# Altium PCB S6.PcbDoc (part 4 of 14)
Units mil, origin at the board's own origin, x right, y up, seen from the top; angles counter-clockwise.
Board outline 5250 x 2929.55 mil, 6 copper layers (Top Layer, Mid-Layer 2, Mid-Layer 4, Mid-Layer 3, Mid-Layer 1, Bottom Layer); 345 components, 365 nets, 2233 pads, 960 vias.
Unrouted connection lines stored in the file: 1.
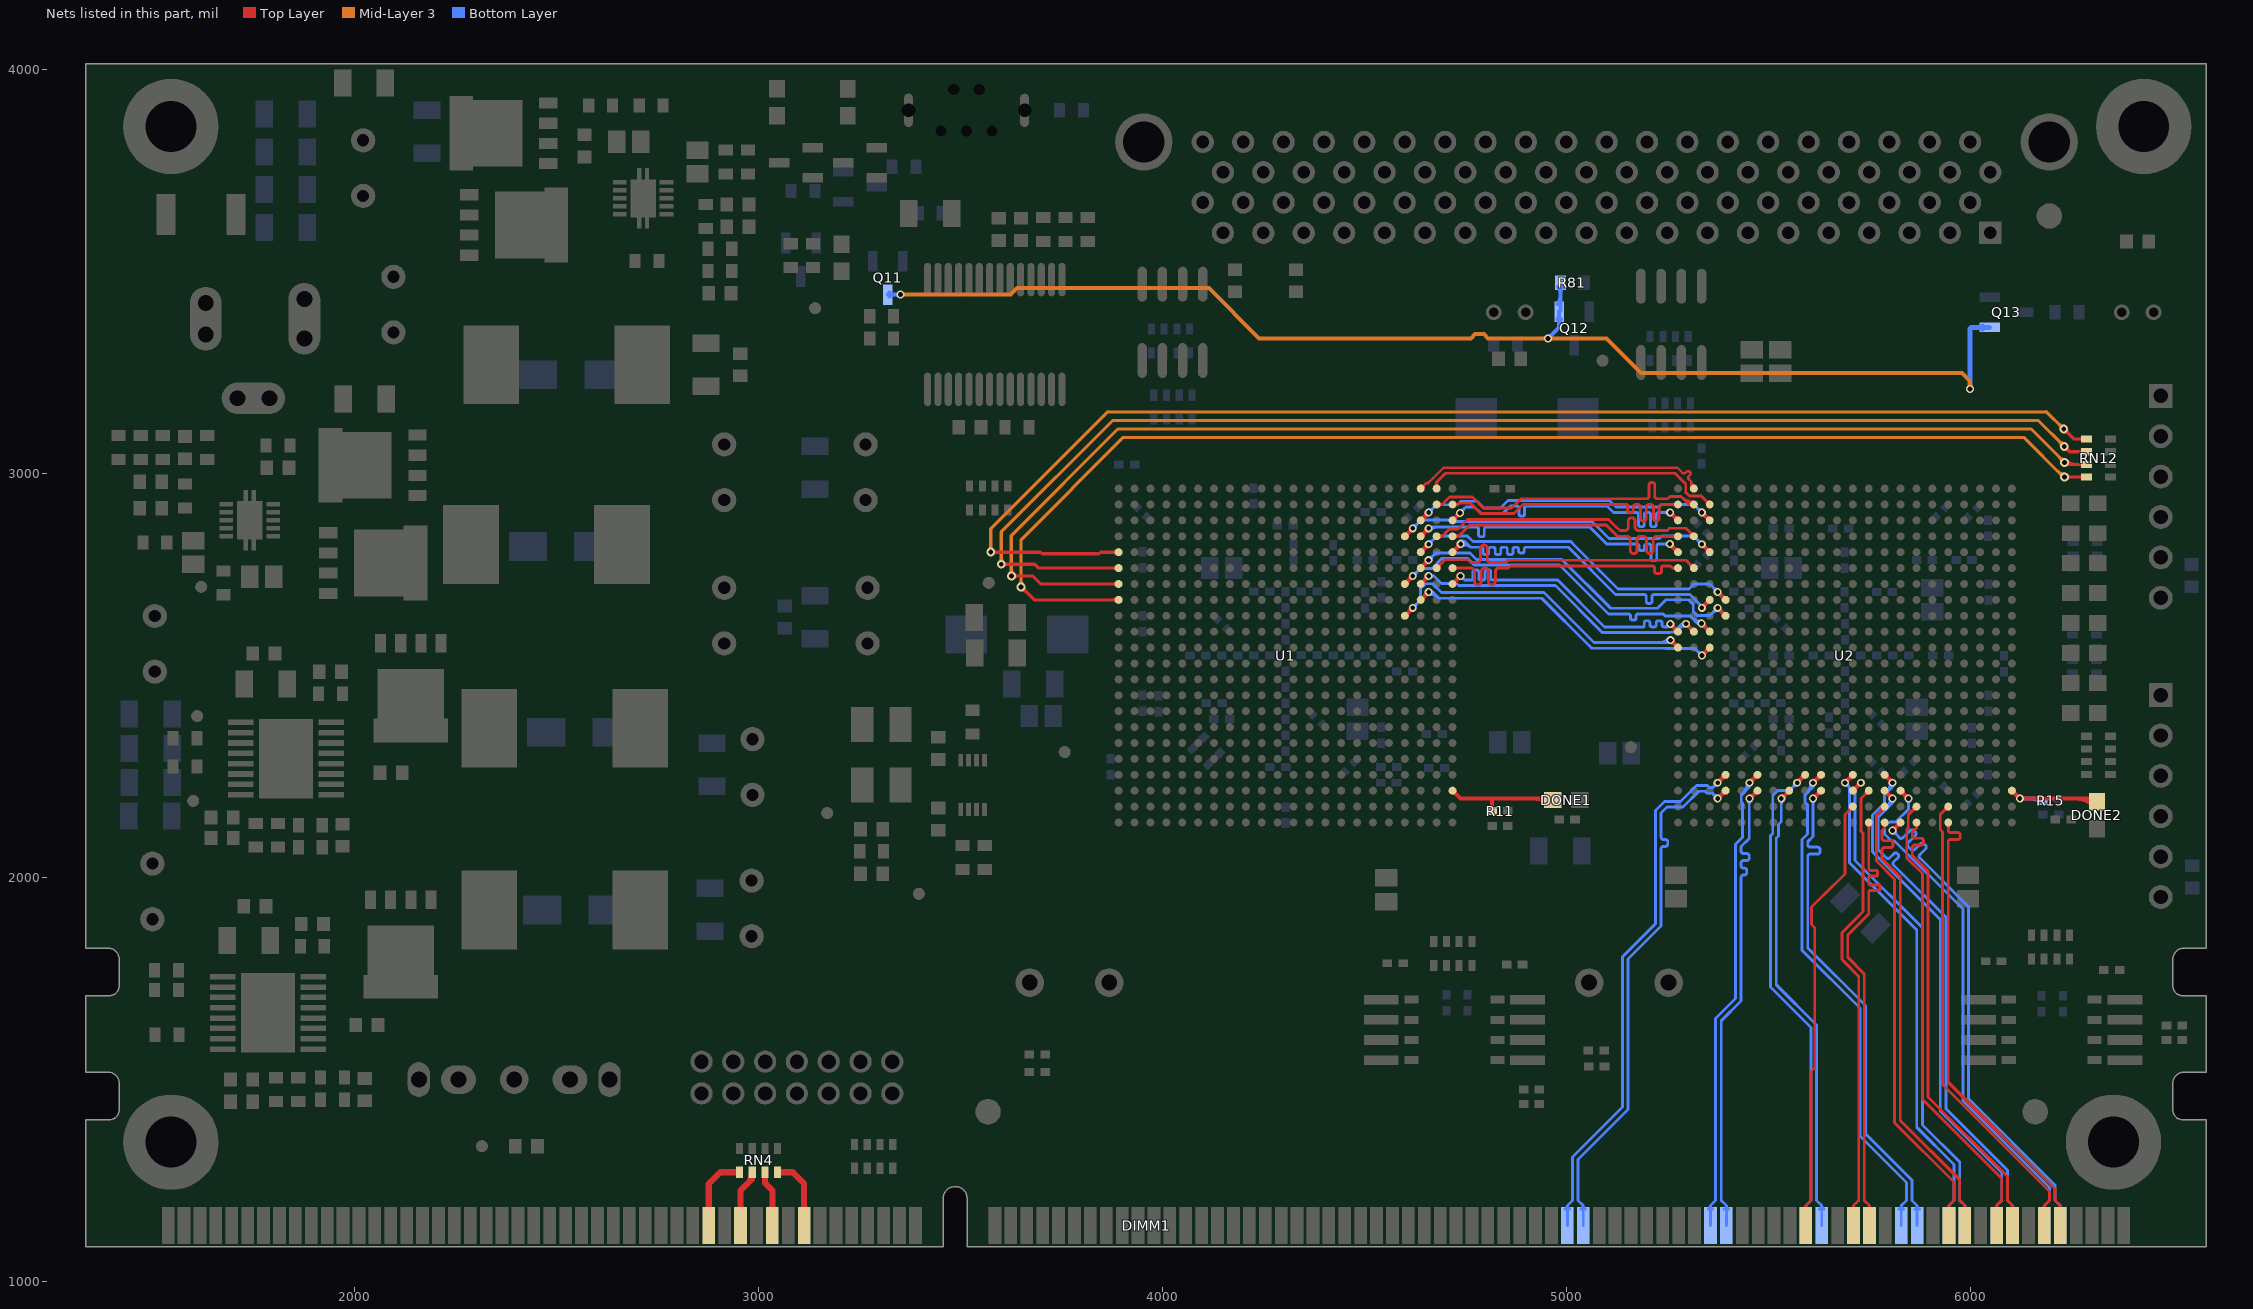
[diagram p8: the nets of this part, all layers, seen from the top]

## Via types
v1: diameter 19.68, hole 11.81, Top Layer to Bottom Layer, tented both sides, 469 vias
v2: diameter 32, hole 18, Top Layer to Bottom Layer, tented both sides, 257 vias
v3: diameter 22, hole 12, Top Layer to Bottom Layer, tented both sides, 185 vias
v4: diameter 25.59, hole 12.99, Top Layer to Bottom Layer, tented bottom, 16 vias
v5: diameter 50, hole 28, Top Layer to Bottom Layer, tented both sides, 15 vias
v6: diameter 23.62, hole 11.81, Top Layer to Bottom Layer, tented bottom, 10 vias
v7: diameter 20, hole 12, Top Layer to Bottom Layer, tented both sides, 5 vias
v8: diameter 21.65, hole 11.81, Top Layer to Bottom Layer, tented both sides, 2 vias
v9: diameter 39.37, hole 39.37, Top Layer to Bottom Layer, 1 vias

## Nets (pads, with @x,y where several pads share a name; then routed paths per layer and width w, separated by ;. In a path a pad name is that pad's centre, name@x,y a point inside that pad or via, vN(x,y) a via of type N, cw(c..) or ccw(c..) an arc to the next point about the centre after c; other vN are vias at no path point) (continued)
DIMM_FPGA2_11_P: DIMM1.100 U2.AA12 | length 1138.8
  Top Layer w7: DIMM1.100@5587.75,1179.07 ccw(c5583.25,1188) 5593.25,1188 ; DIMM1.100@5593.25,1138.6 5593.25,1188 ; DIMM1.100@5598.75,1179.07 cw(c5603.25,1188) 5593.25,1188 ; U2.AA12@5703.34,2175.98 cw(c5688.03,2175.98) 5698.86,2165.16 cw(c5709.69,2154.33) U2.AA12@5709.69,2169.64 ; U2.AA12@5709.69,2175.98 5690,2156.3 5690,2009.35 5660.15,1979.5 5659.7,1979.5 5611,1930.8 5606.9,1926.7 5606.9,1884.1 5611,1880 5615.1,1875.9 5615.1,1528.9 5605.94,1519.73 5605.94,1200.68 5593.25,1188
DIMM_FPGA2_12_N: DIMM1.104 U2.AB13 | length 1176.1
  Top Layer w7: U2.AB13@5744.57,2132.13 cw(c5733.74,2121.3) 5749.06,2121.3 cw(c5764.37,2121.3) U2.AB13@5753.54,2132.13 ; DIMM1.104@5745.23,1179.07 ccw(c5740.73,1188) 5750.73,1188 ; U2.AB13@5749.06,2136.61 5749.06,2025 5749.06,2021.5 ccw(c5752.56,2021.5) 5752.56,2018 5767.56,2018 cw(c5767.56,2014.5) 5771.06,2014.5 5771.06,2007.5 cw(c5767.56,2007.5) 5767.56,2004 5752.56,2004 ccw(c5752.56,2000.5) 5749.06,2000.5 5749.06,2000 5749.06,1989 5749.06,1985.5 ccw(c5752.56,1985.5) 5752.56,1982 5773.61,1982 cw(c5773.61,1978.5) 5777.11,1978.5 5777.11,1971.5 cw(c5773.61,1971.5) 5773.61,1968 5752.56,1968 ccw(c5752.56,1964.5) 5749.06,1964.5 5749.06,1955 5749.06,1910.06 5696.9,1857.9 5696.9,1802.9 5738.05,1761.75 5738.05,1200.68 5750.73,1188 ; DIMM1.104@5750.73,1138.6 5750.73,1188 ; DIMM1.104@5756.23,1179.07 cw(c5760.73,1188) 5750.73,1188
DIMM_FPGA2_12_P: DIMM1.103 U2.Y13 | length 1176.8
  Top Layer w7: DIMM1.103@5705.86,1179.07 ccw(c5701.36,1188) 5711.36,1188 ; DIMM1.103@5711.36,1138.6 5711.36,1188 ; DIMM1.103@5716.86,1179.07 cw(c5721.36,1188) 5711.36,1188 ; U2.Y13@5742.71,2215.35 cw(c5727.4,2215.35) 5738.23,2204.53 cw(c5749.06,2193.7) U2.Y13@5749.06,2209.01 ; U2.Y13@5749.06,2215.35 5730,2196.3 5730,2115.06 5735.06,2110 5735.06,1915.85 5717,1897.8 5687,1867.8 5682.9,1863.7 5682.9,1797.1 5687,1793 5724.05,1755.95 5724.05,1200.68 5711.36,1188
DIMM_FPGA2_13_N: DIMM1.206 U2.Y4 | length 1414.9
  Top Layer w10: v1(5375.04,2195.67) U2.Y4@5394.72,2215.35 ; v1@5375.04,2200.51 ccw(c5375.04,2212.2) 5383.31,2203.94 ccw(c5391.57,2195.67) v1@5379.88,2195.67 ; U2.Y4@5389.88,2215.35 cw(c5378.19,2215.35) 5386.46,2207.09 cw(c5394.72,2198.82) U2.Y4@5394.72,2210.51
  Bottom Layer w7: DIMM1.206@5036.57,1179.07 ccw(c5032.07,1188) 5042.07,1188 ; DIMM1.206@5042.07,1138.6 5042.07,1188 ; DIMM1.206@5047.57,1179.07 cw(c5052.07,1188) 5042.07,1188 ; v1@5368.7,2195.67 ccw(c5353.38,2195.67) 5364.21,2206.5 ccw(c5375.04,2217.32) v1@5375.04,2202.01 ; v1(5375.04,2195.67) 5361.71,2209 5348.28,2209 5343.27,2214.01 5328.07,2214.01 5288.7,2174.64 5249.33,2174.64 5238.59,2163.9 5238.59,2163.79 5235,2160.2 5235,2103 5235,2100.45 ccw(c5240.95,2100.45) 5240.95,2094.5 5245.23,2094.5 cw(c5245.23,2088.55) 5251.18,2088.55 5251.18,2083.45 cw(c5245.23,2083.45) 5245.23,2077.5 5240.95,2077.5 ccw(c5240.95,2071.55) 5235,2071.55 5235,2054 5235,1880.2 5153.1,1798.3 5153.1,1426.1 5149,1422 5029.39,1302.38 5029.39,1200.68 5042.07,1188
DIMM_FPGA2_13_P: DIMM1.205 U2.W4 | length 1415.4
  Top Layer w10: v1(5375.04,2235.04) U2.W4@5394.72,2254.72 ; v1@5375.04,2239.88 ccw(c5375.04,2251.57) 5383.31,2243.31 ccw(c5391.57,2235.04) v1@5379.88,2235.04 ; U2.W4@5389.88,2254.72 cw(c5378.19,2254.72) 5386.46,2246.46 cw(c5394.72,2238.19) U2.W4@5394.72,2249.88
  Bottom Layer w7: DIMM1.205@4997.2,1179.07 ccw(c4992.7,1188) 5002.7,1188 ; DIMM1.205@5002.7,1138.6 5002.7,1188 ; DIMM1.205@5008.2,1179.07 cw(c5012.7,1188) 5002.7,1188 ; v1@5368.7,2235.04 cw(c5353.38,2235.04) 5364.21,2224.21 cw(c5375.04,2213.38) v1@5375.04,2228.7 ; v1(5375.04,2235.04) 5363,2223 5354.08,2223 5349.07,2228.01 5322.27,2228.01 5282.9,2188.64 5243.53,2188.64 5224.59,2169.69 5224.59,2169.59 5221,2166 5221,1886 5139.1,1804.1 5139.1,1431.9 5015.39,1308.18 5015.39,1200.68 5002.7,1188
DIMM_FPGA2_14_N: DIMM1.215 U2.Y6 | length 1249.6
  Top Layer w10: v1(5453.78,2195.67) U2.Y6@5473.46,2215.35 ; v1@5453.78,2200.51 ccw(c5453.78,2212.2) 5462.05,2203.94 ccw(c5470.31,2195.67) v1@5458.62,2195.67 ; U2.Y6@5468.62,2215.35 cw(c5456.93,2215.35) 5465.2,2207.09 cw(c5473.46,2198.82) U2.Y6@5473.46,2210.51
  Bottom Layer w7: DIMM1.215@5390.9,1179.07 ccw(c5386.4,1188) 5396.4,1188 ; DIMM1.215@5396.4,1138.6 5396.4,1188 ; DIMM1.215@5401.9,1179.07 cw(c5406.4,1188) 5396.4,1188 ; v1@5449.29,2191.18 cw(c5440.35,2182.24) 5453,2182.24 ; 5453,2178.48 cw(c5470.97,2178.48) v1@5458.26,2191.18 ; v1(5453.78,2195.67) 5453,2194.89 5453,2097 5433,2077 5433,2068 5433,2065.45 ccw(c5438.95,2065.45) 5438.95,2059.5 5447.05,2059.5 cw(c5447.05,2053.55) 5453,2053.55 5453,2048.45 cw(c5447.05,2048.45) 5447.05,2042.5 5438.95,2042.5 ccw(c5438.95,2036.55) 5433,2036.55 5433,2032 5433,2029.45 ccw(c5438.95,2029.45) 5438.95,2023.5 5441.05,2023.5 cw(c5441.05,2017.55) 5447,2017.55 5447,2012.45 cw(c5441.05,2012.45) 5441.05,2006.5 5438.95,2006.5 ccw(c5438.95,2000.55) 5433,2000.55 5433,1992 5433,1695 5383.72,1645.71 5383.72,1200.68 5396.4,1188
DIMM_FPGA2_14_P: DIMM1.214 U2.W6 | length 1288.6
  Top Layer w10: v1(5453.78,2235.04) U2.W6@5473.46,2254.72 ; v1@5453.78,2239.88 ccw(c5453.78,2251.57) 5462.05,2243.31 ccw(c5470.31,2235.04) v1@5458.62,2235.04 ; U2.W6@5468.62,2254.72 cw(c5456.93,2254.72) 5465.2,2246.46 cw(c5473.46,2238.19) U2.W6@5473.46,2249.88
  Bottom Layer w7: DIMM1.214@5351.53,1179.07 ccw(c5347.03,1188) 5357.03,1188 ; DIMM1.214@5357.03,1138.6 5357.03,1188 ; DIMM1.214@5362.53,1179.07 cw(c5367.03,1188) 5357.03,1188 ; 5435.46,2206.11 ccw(c5406.53,2235.04) v1@5447.44,2235.04 ; 5447.41,2218.06 ccw(c5430.43,2235.04) v1@5454.44,2235.04 ; v1@5450.78,2229.45 cw(c5448.09,2224.44) 5453.78,2224.44 ; v1(5453.78,2235.04) 5453.78,2224.44 ; v1@5456.78,2229.45 ccw(c5459.47,2224.44) 5453.78,2224.44 ; 5357.03,1188 5369.72,1200.68 5369.72,1651.51 5419,1700.8 5419,1992 5419,2000.55 5419,2082.8 5436.1,2099.9 5436.1,2184.58 5433.44,2187.24 5433.44,2204.1 5453.78,2224.44
DIMM_FPGA2_15_N: DIMM1.221 U2.Y8 | length 1219.6
  Top Layer w10: v1(5532.52,2195.67) U2.Y8@5552.2,2215.35 ; v1@5532.52,2200.51 ccw(c5532.52,2212.2) 5540.79,2203.94 ccw(c5549.05,2195.67) v1@5537.36,2195.67 ; U2.Y8@5547.36,2215.35 cw(c5535.67,2215.35) 5543.94,2207.09 cw(c5552.2,2198.82) U2.Y8@5552.2,2210.51
  Bottom Layer w7: v1@5528.03,2191.18 cw(c5517.21,2180.36) 5532.52,2180.36 cw(c5547.83,2180.36) v1@5537,2191.18 ; v1(5532.52,2195.67) 5532.52,2139.18 5525.34,2132 5525.34,2103.38 5520,2098.04 5520,1734.8 5619.94,1634.86 5619.94,1200.68 5632.62,1188 ; DIMM1.221@5627.12,1179.07 ccw(c5622.62,1188) 5632.62,1188 ; DIMM1.221@5632.62,1138.6 5632.62,1188 ; DIMM1.221@5638.12,1179.07 cw(c5642.62,1188) 5632.62,1188
DIMM_FPGA2_15_P: DIMM1.220 U2.W9 | length 1297.9
  Top Layer w10: v1(5571.89,2235.04) U2.W9@5591.57,2254.72 ; v1@5571.89,2239.88 ccw(c5571.89,2251.57) 5580.16,2243.31 ccw(c5588.42,2235.04) v1@5576.73,2235.04 ; U2.W9@5586.73,2254.72 cw(c5575.04,2254.72) 5583.31,2246.46 cw(c5591.57,2238.19) U2.W9@5591.57,2249.88
  Bottom Layer w7: v1@5565.55,2235.04 cw(c5550.24,2235.04) 5561.06,2224.21 cw(c5571.89,2213.38) v1@5571.89,2228.7 ; v1(5571.89,2235.04) 5552.86,2216.01 5524.09,2216.01 5511.49,2203.41 5511.49,2148.7 5511.34,2148.55 5511.34,2109.18 5506,2103.84 5506,1729 5605.94,1629.07 5605.94,1200.68 5593.25,1188 ; DIMM1.220@5587.75,1179.07 ccw(c5583.25,1188) 5593.25,1188 ; DIMM1.220@5593.25,1138.6 5593.25,1188 ; DIMM1.220@5598.75,1179.07 cw(c5603.25,1188) 5593.25,1188
DIMM_FPGA2_16_N: DIMM1.227 U2.Y10 | length 1335.9
  Top Layer w10: v1(5611.26,2195.67) U2.Y10@5630.94,2215.35 ; v1@5611.26,2200.51 ccw(c5611.26,2212.2) 5619.53,2203.94 ccw(c5627.79,2195.67) v1@5616.1,2195.67 ; U2.Y10@5626.1,2215.35 cw(c5614.41,2215.35) 5622.68,2207.09 cw(c5630.94,2198.82) U2.Y10@5630.94,2210.51
  Bottom Layer w7: v1@5606.77,2191.18 cw(c5595.95,2180.36) 5611.26,2180.36 cw(c5626.57,2180.36) v1@5615.74,2191.18 ; v1(5611.26,2195.67) 5611.26,2102.26 5598,2089 5598,2084 5598,2081.45 ccw(c5603.95,2081.45) 5603.95,2075.5 5622.36,2075.5 cw(c5622.36,2069.55) 5628.31,2069.55 5628.31,2064.45 cw(c5622.36,2064.45) 5622.36,2058.5 5603.95,2058.5 ccw(c5603.95,2052.55) 5598,2052.55 5598,2044 5598,1826 5741,1683 5741,1365.8 5856.15,1250.64 5856.15,1200.68 5868.84,1188 ; DIMM1.227@5863.34,1179.07 ccw(c5858.84,1188) 5868.84,1188 ; DIMM1.227@5868.84,1138.6 5868.84,1188 ; DIMM1.227@5874.34,1179.07 cw(c5878.84,1188) 5868.84,1188
DIMM_FPGA2_16_P: DIMM1.226 U2.W10 | length 1375.1
  Top Layer w10: v1(5611.26,2235.04) U2.W10@5630.94,2254.72 ; v1@5611.26,2239.88 ccw(c5611.26,2251.57) 5619.53,2243.31 ccw(c5627.79,2235.04) v1@5616.1,2235.04 ; U2.W10@5626.1,2254.72 cw(c5614.41,2254.72) 5622.68,2246.46 cw(c5630.94,2238.19) U2.W10@5630.94,2249.88
  Bottom Layer w7: 5592.94,2206.11 ccw(c5564.01,2235.04) v1@5604.92,2235.04 ; 5604.89,2218.06 ccw(c5587.91,2235.04) v1@5611.92,2235.04 ; v1@5608.26,2229.45 cw(c5605.57,2224.44) 5611.26,2224.44 ; v1(5611.26,2235.04) 5611.26,2224.44 ; v1@5614.26,2229.45 ccw(c5616.95,2224.44) 5611.26,2224.44 ; DIMM1.226@5823.97,1179.07 ccw(c5819.47,1188) 5829.47,1188 ; DIMM1.226@5829.47,1138.6 5829.47,1188 ; DIMM1.226@5834.97,1179.07 cw(c5839.47,1188) 5829.47,1188 ; 5611.26,2224.44 5590.92,2204.1 5590.92,2187.24 5597.26,2180.9 5597.26,2108.06 5584,2094.8 5584,1820.2 5727,1677.2 5727,1360 5842.15,1244.85 5842.15,1200.68 5829.47,1188
DIMM_FPGA2_17_N: DIMM1.230 U2.Y12 | length 1325.7
  Top Layer w10: U2.Y12@5709.69,2215.35 v1(5729.37,2235.04) ; U2.Y12@5709.69,2220.2 ccw(c5709.69,2231.89) 5717.95,2223.62 ccw(c5726.22,2215.35) U2.Y12@5714.53,2215.35 ; v1@5724.53,2235.04 cw(c5712.84,2235.04) 5721.1,2226.77 cw(c5729.37,2218.51) v1@5729.37,2230.2
  Bottom Layer w7: v1@5723.03,2235.04 cw(c5707.72,2235.04) 5718.54,2224.21 cw(c5729.37,2213.38) v1@5729.37,2228.7 ; v1(5729.37,2235.04) 5715,2220.67 5715,2042.8 5882,1875.8 5882,1387.8 5974.27,1295.53 5974.27,1200.68 5986.95,1188 ; DIMM1.230@5981.45,1179.07 ccw(c5976.95,1188) 5986.95,1188 ; DIMM1.230@5986.95,1138.6 5986.95,1188 ; DIMM1.230@5992.45,1179.07 cw(c5996.95,1188) 5986.95,1188
DIMM_FPGA2_17_P: DIMM1.229 U2.W12 | length 1324.4
  Top Layer w10: v1(5690,2235.04) U2.W12@5709.69,2254.72 ; v1@5690,2239.88 ccw(c5690,2251.57) 5698.27,2243.31 ccw(c5706.53,2235.04) v1@5694.84,2235.04 ; U2.W12@5704.84,2254.72 cw(c5693.15,2254.72) 5701.42,2246.46 cw(c5709.69,2238.19) U2.W12@5709.69,2249.88
  Bottom Layer w7: v1@5690,2228.7 cw(c5690,2213.38) 5700.83,2224.21 cw(c5711.65,2235.04) v1@5696.34,2235.04 ; v1(5690,2235.04) 5701,2224.04 5701,2037 5868,1870 5868,1382 5960.27,1289.73 5960.27,1200.68 5947.58,1188 ; DIMM1.229@5942.08,1179.07 ccw(c5937.58,1188) 5947.58,1188 ; DIMM1.229@5947.58,1138.6 5947.58,1188 ; DIMM1.229@5953.08,1179.07 cw(c5957.58,1188) 5947.58,1188
DIMM_FPGA2_18_N: DIMM1.236 U2.AB15 | length 1380.9
  Top Layer w10: v1(5808,2116.82) U2.AB15@5827.8,2136.61 U2.AB15@5827.61,2136.61 ; v1@5808,2121.66 ccw(c5808,2133.35) 5816.27,2125.09 ccw(c5824.53,2116.82) v1@5812.84,2116.82 ; U2.AB15@5822.95,2136.61 cw(c5811.26,2136.61) 5819.53,2128.35 cw(c5827.8,2120.08) U2.AB15@5827.8,2131.77
  Bottom Layer w7: v1@5808,2110.48 cw(c5808,2095.16) 5818.83,2105.99 cw(c5829.65,2116.82) v1@5814.34,2116.82 ; v1(5808,2116.82) 5822.9,2101.92 5822.9,2100.9 5824.81,2098.99 ccw(c5829.26,2103.45) 5833.72,2098.99 5851.68,2116.95 cw(c5856.13,2112.5) 5860.59,2116.95 5864.41,2113.13 cw(c5859.95,2108.68) 5864.41,2104.22 5846.45,2086.26 ccw(c5850.9,2081.81) 5846.45,2077.35 5853.9,2069.9 ccw(c5858.35,2074.35) 5862.81,2069.9 5876.97,2084.07 cw(c5881.43,2079.61) 5885.88,2084.06 5889.7,2080.25 cw(c5885.25,2075.79) 5889.7,2071.34 5875.54,2057.17 ccw(c5879.99,2052.72) 5875.54,2048.26 5996,1927.8 5996,1452.8 6210.48,1238.31 6210.48,1200.68 6223.17,1188 ; DIMM1.236@6217.67,1179.07 ccw(c6213.17,1188) 6223.17,1188 ; DIMM1.236@6223.17,1138.6 6223.17,1188 ; DIMM1.236@6228.67,1179.07 cw(c6233.17,1188) 6223.17,1188
DIMM_FPGA2_18_P: DIMM1.235 U2.Y15 | length 1380.9
  Top Layer w10: U2.Y15@5827.8,2210.51 cw(c5827.8,2198.82) 5836.06,2207.09 cw(c5844.33,2215.35) U2.Y15@5832.64,2215.35 ; U2.Y15@5827.8,2215.35 v1(5847.48,2195.67) ; v1@5842.64,2195.67 ccw(c5830.95,2195.67) 5839.21,2203.94 ccw(c5847.48,2212.2) v1@5847.48,2200.51
  Bottom Layer w7: v1@5843,2191.18 cw(c5832.17,2180.36) 5847.48,2180.36 cw(c5862.79,2180.36) v1@5851.97,2191.18 ; v1(5847.48,2195.67) 5847.48,2169.54 5815.6,2137.66 5800.07,2137.66 5787.66,2125.24 5787.66,2108.39 5805.05,2091 5813,2091 5982,1922 5982,1447 6196.48,1232.52 6196.48,1200.68 6183.8,1188 ; DIMM1.235@6178.3,1179.07 ccw(c6173.8,1188) 6183.8,1188 ; DIMM1.235@6183.8,1138.6 6183.8,1188 ; DIMM1.235@6189.3,1179.07 cw(c6193.8,1188) 6183.8,1188
DIMM_FPGA2_19_N: DIMM1.233 U2.Y14 | length 1403.8
  Top Layer w10: U2.Y14@5788.43,2210.51 cw(c5788.43,2198.82) 5796.69,2207.09 cw(c5804.96,2215.35) U2.Y14@5793.27,2215.35 ; U2.Y14@5788.43,2215.35 v1(5808.11,2195.67) ; v1@5803.27,2195.67 ccw(c5791.58,2195.67) 5799.84,2203.94 ccw(c5808.11,2212.2) v1@5808.11,2200.51
  Bottom Layer w7: 5789.82,2166.82 ccw(c5760.96,2195.67) v1@5801.77,2195.67 ; 5801.77,2178.77 ccw(c5784.86,2195.67) v1@5808.77,2195.67 ; v1@5805.13,2190.07 cw(c5802.49,2185.11) 5808.11,2185.11 ; v1(5808.11,2195.67) 5808.11,2185.11 ; v1@5811.09,2190.07 ccw(c5813.73,2185.11) 5808.11,2185.11 ; DIMM1.233@6099.56,1179.07 ccw(c6095.06,1188) 6105.06,1188 ; DIMM1.233@6105.06,1138.6 6105.06,1188 ; DIMM1.233@6110.56,1179.07 cw(c6115.06,1188) 6105.06,1188 ; 5808.11,2185.11 5772,2149 5772,2070 5792,2050 5793.48,2048.52 ccw(c5796.95,2051.98) 5800.41,2048.52 5812.08,2060.18 cw(c5815.54,2056.71) 5819.01,2060.18 5821.98,2057.21 cw(c5818.51,2053.74) 5821.98,2050.28 5810.31,2038.62 ccw(c5813.78,2035.15) 5810.31,2031.69 5820.5,2021.5 5940,1902 5940,1427.8 6092.38,1275.42 6092.38,1200.68 6105.06,1188
DIMM_FPGA2_19_P: DIMM1.232 U2.W14 | length 1405.1
  Top Layer w10: U2.W14@5788.43,2249.88 cw(c5788.43,2238.19) 5796.69,2246.46 cw(c5804.96,2254.72) U2.W14@5793.27,2254.72 ; U2.W14@5788.43,2254.72 v1(5808.11,2235.04) ; v1@5803.27,2235.04 ccw(c5791.58,2235.04) 5799.84,2243.31 ccw(c5808.11,2251.57) v1@5808.11,2239.88
  Bottom Layer w7: 5789.79,2206.11 ccw(c5760.86,2235.04) v1@5801.77,2235.04 ; 5801.74,2218.06 ccw(c5784.76,2235.04) v1@5808.77,2235.04 ; v1@5805.11,2229.45 cw(c5802.42,2224.44) 5808.11,2224.44 ; v1(5808.11,2235.04) 5808.11,2224.44 ; v1@5811.11,2229.45 ccw(c5813.8,2224.44) 5808.11,2224.44 ; DIMM1.232@6060.19,1179.07 ccw(c6055.69,1188) 6065.69,1188 ; DIMM1.232@6065.69,1138.6 6065.69,1188 ; DIMM1.232@6071.19,1179.07 cw(c6075.69,1188) 6065.69,1188 ; 5808.11,2224.44 5787.77,2204.1 5787.77,2184.57 5758,2154.8 5758,2064.2 5926,1896.2 5926,1422 6078.38,1269.62 6078.38,1200.68 6065.69,1188
DIMM_FPGA2_20_N: DIMM1.113 U2.AB16 | length 1192
  Top Layer w7: U2.AB16@5863.09,2131.76 cw(c5855.73,2123) 5867.17,2123 ; U2.AB16@5867.17,2136.61 5867.17,2123 ; U2.AB16@5871.25,2131.76 ccw(c5878.6,2123) 5867.17,2123 ; DIMM1.113@6099.56,1179.07 ccw(c6095.06,1188) 6105.06,1188 ; DIMM1.113@6105.06,1138.6 6105.06,1188 ; DIMM1.113@6110.56,1179.07 cw(c6115.06,1188) 6105.06,1188 ; 5867.17,2123 5856.9,2112.73 5856.9,2106 5856.9,2103.45 ccw(c5862.85,2103.45) 5862.85,2097.5 5878.53,2097.5 cw(c5878.53,2091.55) 5884.48,2091.55 5884.48,2086.45 cw(c5878.53,2086.45) 5878.53,2080.5 5862.85,2080.5 ccw(c5862.85,2074.55) 5856.9,2074.55 5856.9,2054.9 5896,2015.8 5896,1457.17 6092.38,1260.8 6092.38,1200.68 6105.06,1188
DIMM_FPGA2_20_P: DIMM1.112 U2.AA16 | length 1196.4
  Top Layer w7: U2.AA16@5860.82,2175.98 cw(c5845.51,2175.98) 5856.34,2165.16 cw(c5867.17,2154.33) U2.AA16@5867.17,2169.64 ; U2.AA16@5867.17,2175.98 5847,2155.82 5847,2122.63 5842.9,2118.53 5842.9,2049.1 5882,2010 5882,1451.38 6078.38,1255 6078.38,1200.68 6065.69,1188 ; DIMM1.112@6060.19,1179.07 ccw(c6055.69,1188) 6065.69,1188 ; DIMM1.112@6065.69,1138.6 6065.69,1188 ; DIMM1.112@6071.19,1179.07 cw(c6075.69,1188) 6065.69,1188
DIMM_FPGA2_21_N: DIMM1.110 U2.AB14 | length 1172
  Top Layer w7: U2.AB14@5784.35,2131.76 cw(c5776.99,2123) 5788.43,2123 ; U2.AB14@5788.43,2136.61 5788.43,2123 ; U2.AB14@5792.51,2131.76 ccw(c5799.86,2123) 5788.43,2123 ; DIMM1.110@5981.45,1179.07 ccw(c5976.95,1188) 5986.95,1188 ; DIMM1.110@5986.95,1138.6 5986.95,1188 ; DIMM1.110@5992.45,1179.07 cw(c5996.95,1188) 5986.95,1188 ; 5788.43,2123 5781.9,2116.47 5781.9,2100 5781.9,2097.45 ccw(c5787.85,2097.45) 5787.85,2091.5 5803.23,2091.5 cw(c5803.23,2085.55) 5809.18,2085.55 5809.18,2080.45 cw(c5803.23,2080.45) 5803.23,2074.5 5787.85,2074.5 ccw(c5787.85,2068.55) 5781.9,2068.55 5781.9,2046.9 5827,2001.8 5827,1399.06 5974.27,1251.8 5974.27,1200.68 5986.95,1188
DIMM_FPGA2_21_P: DIMM1.109 U2.AA14 | length 1177
  Top Layer w7: U2.AA14@5782.08,2175.98 cw(c5766.77,2175.98) 5777.6,2165.16 cw(c5788.43,2154.33) U2.AA14@5788.43,2169.64 ; U2.AA14@5788.43,2175.98 5767.9,2155.46 5767.9,2041.1 5813,1996 5813,1393.27 5960.27,1246 5960.27,1200.68 5947.58,1188 ; DIMM1.109@5942.08,1179.07 ccw(c5937.58,1188) 5947.58,1188 ; DIMM1.109@5947.58,1138.6 5947.58,1188 ; DIMM1.109@5953.08,1179.07 cw(c5957.58,1188) 5947.58,1188
DIMM_FPGA2_22_N: DIMM1.116 U2.AB18 | length 1208.1
  Top Layer w7: U2.AB18@5941.42,2132.13 cw(c5930.59,2121.3) 5945.91,2121.3 cw(c5961.22,2121.3) U2.AB18@5950.39,2132.13 ; U2.AB18@5945.91,2136.61 5945.91,2120 5945.91,2117.45 ccw(c5951.86,2117.45) 5951.86,2111.5 5969.63,2111.5 cw(c5969.63,2105.55) 5975.58,2105.55 5975.58,2100.45 cw(c5969.63,2100.45) 5969.63,2094.5 5951.86,2094.5 ccw(c5951.86,2088.55) 5945.91,2088.55 5945.91,2060 5945.91,2025.89 5946,2025.8 5946,1493.28 6210.48,1228.8 6210.48,1200.68 6223.17,1188 ; DIMM1.116@6217.67,1179.07 ccw(c6213.17,1188) 6223.17,1188 ; DIMM1.116@6223.17,1138.6 6223.17,1188 ; DIMM1.116@6228.67,1179.07 cw(c6233.17,1188) 6223.17,1188
DIMM_FPGA2_22_P: DIMM1.115 U2.AA18 | length 1209.1
  Top Layer w7: U2.AA18@5939.56,2175.98 cw(c5924.25,2175.98) 5935.08,2165.16 cw(c5945.91,2154.33) U2.AA18@5945.91,2169.64 ; U2.AA18@5945.91,2175.98 5926,2156.08 5926,2118.91 5931.91,2113 5931.91,1990.09 5932,1990 5932,1487.48 6196.48,1223 6196.48,1200.68 6183.8,1188 ; DIMM1.115@6178.3,1179.07 ccw(c6173.8,1188) 6183.8,1188 ; DIMM1.115@6183.8,1138.6 6183.8,1188 ; DIMM1.115@6189.3,1179.07 cw(c6193.8,1188) 6183.8,1188
DIMM_TCK: DIMM1.39 RN4.7 | length 170.8
  Top Layer w15: RN4.7@3015.75,1270.47 3015.75,1244.25 3034.2,1225.8 DIMM1.39@3034.2,1138.6 ; DIMM1.39@3028.37,1173.96 ccw(c3014.29,1188.04) 3034.2,1188.04 ccw(c3054.11,1188.04) DIMM1.39@3040.03,1173.96
DIMM_TDI: DIMM1.35 RN4.5 | length 222.3
  Top Layer w15: DIMM1.35@2870.89,1173.96 ccw(c2856.81,1188.04) 2876.72,1188.04 ccw(c2896.63,1188.04) DIMM1.35@2882.55,1173.96 ; DIMM1.35@2876.72,1138.6 2876.72,1241.72 2905.47,1270.47 RN4.5@2952.76,1270.47
DIMM_TDO: DIMM1.37 RN4.6 | length 199.1
  Top Layer w15: DIMM1.37@2949.63,1173.96 ccw(c2935.55,1188.04) 2955.46,1188.04 ccw(c2975.37,1188.04) DIMM1.37@2961.29,1173.96 ; DIMM1.37@2955.46,1138.6 2955.46,1225.46 2984.25,1254.25 RN4.6@2984.25,1270.47 ; 2973.94,1243.94 ccw(c2952.34,1265.55) RN4.6@2982.89,1265.55
DIMM_TMS: DIMM1.41 RN4.8 | length 212.2
  Top Layer w15: RN4.8@3047.24,1270.47 3084.53,1270.47 3112.94,1242.06 DIMM1.41@3112.94,1138.6 ; DIMM1.41@3107.11,1173.96 ccw(c3093.03,1188.04) 3112.94,1188.04 ccw(c3132.85,1188.04) DIMM1.41@3118.77,1173.96
DONE1: DONE1.1 R11.2 U1.Y22 | length 393.6
  Top Layer w10: U1.Y22@4718.39,2210.51 cw(c4718.39,2198.82) 4726.65,2207.09 cw(c4734.92,2215.35) U1.Y22@4723.23,2215.35 ; U1.Y22@4718.39,2215.35 4738.07,2195.67 DONE1.1@4962.87,2195.67 ; R11.2@4812.89,2168.42 ccw(c4804.62,2176.69) 4816.31,2176.69 ccw(c4828.01,2176.69) R11.2@4819.74,2168.42 ; 4816,2194.67 4816.31,2194.35 R11.2@4816.31,2165 ; 4920.26,2195.67 cw(c4920.26,2147.69) DONE1.1@4954.18,2181.62 ; 4937.97,2195.67 ccw(c4937.97,2218.6) DONE1.1@4954.18,2202.38 ; 4944.4,2195.67 cw(c4944.4,2171.83) DONE1.1@4961.25,2188.69